# EAGLE board Mk4 Final Panel 8up 2x4 (EAGLE 9.0.1), part 12 of 23 (continued)
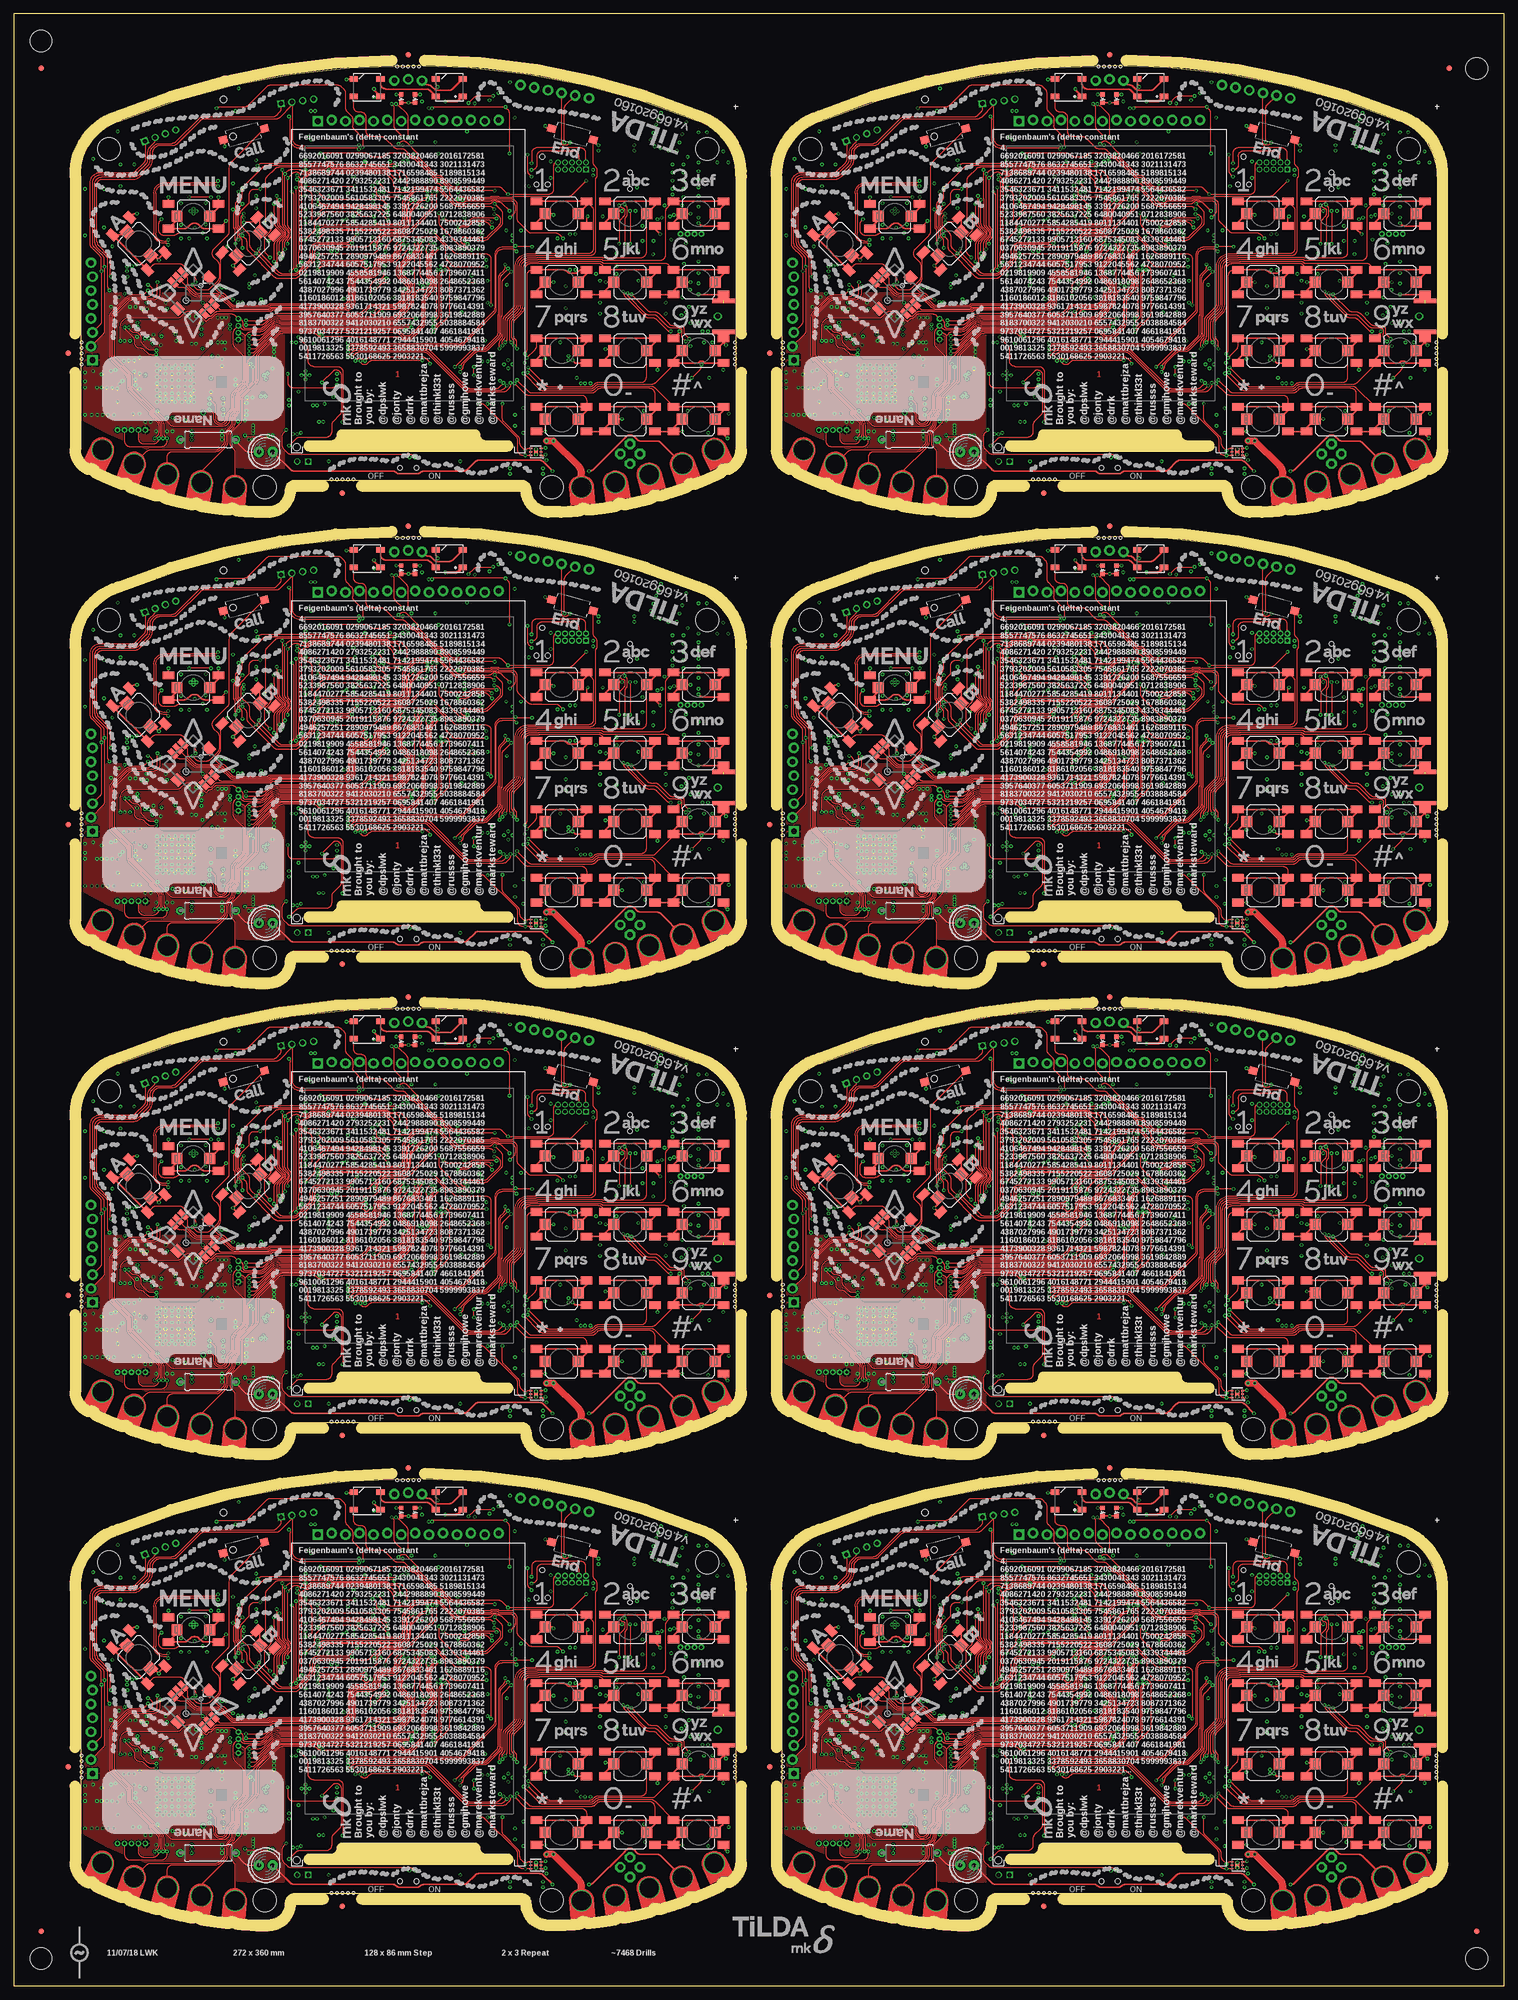
[diagram p0: board, top side]
## Tracks (layer width: path | path; a pad name or v marks a point on that pad's centre or on a via) (continued)
GND6  (via drill 0.3)  (1 unrouted)
  Top 0.15: IC124.3 96.3,280.65 96.25,280.6 IC124.2 | v95.3,279.5 IC124.PAD v95.3,280.5
  Top 0.2: 96.3,280.65 96.95,280.65 v97.05,280.75
  Top 0.3: S133.1 107.95,296.95 S133.A1 | S129.A1 95.45,296.95 S129.1 v97,297 | S130.A1 95.45,284 95.7,283.75 v97,283.75 S130.1 | S138.1 120.45,284.45 S138.A1 | S137.1 129.55,300.05 S137.A1 | 120.45,321.5 120.45,321.95 S135.1 v123.5,323.5 | 120.45,321.5 S135.A1 | S131.A1 107.95,321.95 S131.1 110,324 v111,324 | S127.A1 95.45,321.95 S127.1 98.25,323.5 v98.5,323.25 | S128.A1 95.45,309.45 S128.1 v98.5,311 | 107.95,309 107.95,309.45 S132.1 v108.05,311 | 107.95,309 S132.A1 | S127.A2 104.55,322.8 v104.75,323 | 120.2,321.25 120.45,321.5 | S136.A2 v125,308.75 | v123.5,311 S136.1 120.45,309.45 S136.A1 S132.A2 | 104.5,296.3 S129.A2 102.5,296.25 v102,296.75 | S133.1 109,299 | S138.A2 129.5,283.75 129.5,283.25 v130.25,282.5 | S134.A2 S138.A1 | v111,286 S134.1 107.95,284.45 S134.A1 S130.A2 | S128.A2 107.7,308.75 107.95,309 | S143.1 97.49,339.01 v97,339.5 | LED39.C v72.03,343.75 LED40.C | LED37.3 61.95,348 v60.75,348 | S135.A2 125.91,321.25 arc-45 125.21,321.54 v125,321.75 | 27.61,316.39 S140.A1 26.5,315.26 v26.5,315 25.62,315.88 S140.1 | S140.A2 21.57,323.21 arc-45 22.28,323.5 v22.5,323.5 | S138.A1 v122,283.75 | S131.A2 117.05,320.7 v118,319.75 | S133.1 109.25,298.75 v108,298.75 | S133.A2 117.5,295.8 v117.5,295 | S141.A2 v28.25,326.5 | S141.1 37.35,324.55 S141.A1 v37.35,326.5 | S142.1 38.5,336.72 v38.5,335.75 | S139.A1 40.81,313.19 v40,314 40.68,314.68 S139.1 | v46.5,318.5 47.61,319.61 S139.A2 | LED38.3 77.05,347.36 arc45 77.34,346.66 v77.4,346.6 | S137.A2 121.5,301.8 v121.5,302 | S137.A1 129.55,299.95 v130,299.5 | S137.A1 129.53,300.76 J69.G@4
  Top 0.4: S136.A2 129.53,308.74 J69.G@3
  GND@3 0.4: v34.45,298.85 31.8,296.2 v31.8,295.85 | v29.5,301.5 28.75,300.75 28.75,296.6 v29.5,295.85 | v27,301.1 27.75,300.35 27.75,296.4 v28.3,295.85
  Bottom 0.15: J61.32 68.75,308.25 | J61.31 69.25,308 | J61.30 69.75,308 | J61.29 70.25,308 | J61.28 70.75,308 | J61.27 71.25,308 | J61.26 71.75,308 | J61.25 72.25,308 | J61.24 72.75,308 | J61.23 73.25,308 | J61.22 73.75,308 | J61.21 74.25,308 | J61.20 74.75,308 | J61.19 75.25,308 | J61.18 75.75,308 | J61.17 76.25,308 | J61.16 76.75,308 | J61.15 77.25,308 | J61.14 77.75,308 | J61.13 78.25,308 | J61.12 78.75,308 | J61.11 79.25,308 | IC110.58 v65.6,326.8 | IC110.55 v65.6,325.6 | IC113.3 87.05,344 v86.85,344.2 | ANT14.3 118.79,341.9 v118.15,341.9 | v117.7,340.75 117.8,340.65 117.94,340.65 117.84,340.75 v117.7,340.75 | ANT14.2 118.05,340.4 v117.7,340.75 | ANT14.4 122.28,340.2 v122.75,340.2 | IC119.PAD v30.1,293.1 | IC119.PAD v28.9,293.1 | IC119.PAD v28.9,291.9 | IC119.PAD v30.1,291.9 | v28.9,294.3 29.5,294.9 v29.5,295.85 | v28.3,295.85 28.3,294.9 v27.7,294.3 27.75,294.35 | v31.3,294.3 31.3,295.35 v31.8,295.85 | v87.5,288.75 C750.2 88,289.5 arc90 88.5,290 88.5,290.5 arc90 88,291 IC122.2 87.46,291 arc45 87.1,290.85 86.9,290.65 arc-45 86.54,290.5 IC122.4 | C752.2 96.45,280.5 | v113.25,336 C701.2 | C704.2 v113.25,335 | C702.2 v106.75,336 | C700.2 v106.75,335 | v30.55,325.4 30.25,325.7 R545.2
  Bottom 0.2: C663.1 74.6,313.85 IC110.10 | IC110.17 71.8,314.01 arc-45 71.65,313.65 C662.1 v71.5,312.75 | IC110.48 63.46,322.8 arc-45 C660.1 | IC110.114 80.74,322.4 arc45 81.44,322.69 C659.1 | IC110.80 71.8,332.05 71.97,332.23 | X28.4 19.88,291.43 19.7,291.6 v18.9,291.6 | X28.2 21.73,287.07 v21.8,287 | IC121.23 87.8,296.75 arc-45 87.66,296.81 87.25,297.22 arc-90 87.25,297.25 | 87.25,297.25 v87.25,297.5 | IC121.24 87.25,297.25 | IC121.18 89,293.25 v88.75,293 | IC121.9 v93.25,296.25 | IC114.17 52.5,291.5 v52,291 IC114.18 | J64.GND4 123,286.05 | 96.45,280.5 arc45 v97.05,280.75 | v37.3,327.5 C754.2 | IC116.4 93.97,327.73 C719.1
  Bottom 0.25: J61.50 59.75,307.45 v60.25,307.95 | J61.49 v60.25,307.95 | J61.48 60.75,307.45 v60.25,307.95 | J61.43 63.25,308 | J61.6 v81.75,305.5 | v74,310.75 74,311.62 C664.1 74.25,312.12 C663.1 | v62,323.1 C660.1 | v82.25,322.75 C659.1 | v72,333 C661.1 71.97,332.23 | C658.1 C666.1 v73,334.45 | v61,327.25 R477.2 | C665.1 71.05,334.25 v71.65,333.65 | v81.5,278.25 S145.1 | v57.5,278.25 S146.1 | C669.1 v68.7,333 | C668.1 v64.1,333 | v77.5,334.45 C667.1 | R539.2 v31.25,285.75 | v33.35,323.95 IC118.PAD v32.8,323.5 | C684.2 44.88,285.23 | v91.45,341 C655.1 | v74.5,344 C653.1
  Bottom 0.3: 83.45,344.3 v84.15,343.6 | v38,297 R538.2 | v20.25,300.25 C727.1 | v22.5,301 22.62,300.88 C732.2 | v102.5,313.25 C710.2 | v101.5,313.25 C707.2 | v102.5,319.75 C706.2 | C708.2 v101.5,319.75 | IC111.8 106.1,312.65 v106.25,312.5 | R512.2 v100.75,310.25 | R504.2 v100.75,304.25 | R511.2 v100.75,306.25 | IC111.13 108.1,318.65 v108.25,318.5 | IC111.21 116.9,318.65 v116.75,318.5 | Q27.2 100.65,300.15 R502.2 v99.75,300 | C719.1 v94,328.5 | v98,330 97.91,330.09 JP55.5 | C712.1 v105.75,331.5 | IC117.7 99.19,319.81 R523.1 v99.25,319 | v107.5,323 C697.1 | v111,324 110.5,323.5 C696.1 | C695.1 v113.5,324 | J64.GND3 117.21,296.06 arc-45 117.5,295.36 v117.5,295 | 129.38,298.5 J64.GND2 129.5,298.59 arc-45 129.79,299.29 v130,299.5 | 130.17,296 J64.C4 129.79,295.74 arc45 129.5,295.04 v129.5,295 | v130.5,287 130.38,287 J64.GND1 | v115.25,284.25 R527.2 116.92,284.25 Q26.2 | C698.1 v126.75,283.5 | J64.C5 122.85,287.65 v123,287.5 123,286.05 | v115,287.5 115.23,287.27 116.25,287.27 J64.GND6 | C652.1 v82.25,317 | C657.1 v85,320.25 | C656.1 v85,321.5 | Q25.4 Q25.EP2 | C678.1 v57.5,312.25 | IC109.28 43.07,312.25 v44,312.25 | C674.1 v40,324.25 | IC109.46 44.2,326.7 v44.25,326.75 | C677.1 v40,329 | IC109.54 43.89,333.1 arc45 v44.25,333.25 | IC109.52 v44.25,331.5 | C676.1 v56.75,333.75 | C672.1 v57.5,331.5 | IC109.6 53.4,329.1 v53.25,329.25 | C673.1 v57.5,326.75 | C675.1 v57.5,322.75 | R487.1 v59,293.25 | R489.2 v59,294.25 | R491.2 54.15,299.5 arc45 v54.75,299.75 | v38,310 C693.1 | v38.75,310 38.75,309.5 C693.1 | v37.25,310 37.25,309.5 C693.1 | IC109.12 53.3,324.3 v53.25,324.25 | R531.2 v21.25,306.45 | R532.2 v22.25,306.45 | R519.2 v91,318.5 | v32.05,318.95 C725.2 | v114.75,318.5 114.7,318.55 IC111.19 114.7,321.2 v114.75,321.25
  Bottom 0.3: R529.2 41.95,285.5 v42.2,285.75 | IC121.25 v89.5,296 | v72.6,336.55 72.67,336.55 X26.4 | X26.2 76.83,336.55 v76.95,336.55 | v88.5,345.5 C670.1 | v90.6,347.5 R481.2 | C654.1 v82.75,338.5 | C711.1 v89.9,320.45 | J66.8 J66.4 | J68.8 J68.4 | IC109.41 42.05,322.7 v42,322.75 | J64.GND5 123.11,298.91 v123.5,299.3 122.94,299.3 arc-45 122.23,299.59 IC115.3 | IC111.33 119.3,304.95 v119,305.25 | v123.45,309.6 C713.1 | v122.7,304.5 D14.2 | v122.7,305.5 C714.1 | v17.75,294.75 C717.1 | v14.5,294.75 C718.1 | 38.55,300.8 C735.2 37.95,300.8 | IC125.2 v96.6,277 | C755.2 v90.6,276 | IC125.3 v96.6,276 | v119,307.25 119.1,307.15 IC111.31
  Bottom 0.35: v38.55,300 38.55,300.8 | v37.95,300 37.95,300.8
  Bottom 0.4: C737.2 34.1,298.5 v34.45,298.85 | v37.25,297.5 C731.2 | v38,295.75 C743.2 | C733.2 34.12,303.62 v34.25,303.5 | C733.2 v33.25,304.75 | v32,304.75 C734.2 C733.2 | C738.2 28.9,300.9 v29.5,301.5 29.4,301.4 | C736.2 v27,301.1 | v25.5,301.4 26.1,300.8 C730.2 | v40.5,292.25 C748.1 | v40.5,293.25 C749.1 | v38.25,288.75 C744.2 | C740.2 v36,291 | C726.1 v27.75,307.25 | C746.1 v22.95,291.5 | C742.2 v22.25,292.25 | C728.2 v22.25,293.25 | C747.1 v22.95,287 | R530.2 v24,285.5 | R533.2 v25,285.5 | R540.2 v26,283.75 | C745.2 v29,283.75 | C739.2 v28,283.75 | v38.5,298.75 C741.2 37.4,299.64 arc45 v37.25,300 | IC120.4 21.12,312.15 arc45 v20.75,312 | v38.25,286.75 R497.2 | v85.5,296.5 C671.1 | v50.25,288.5 50.85,288.5 C691.2 50.85,289.5 v50.25,289.5 | S144.2 71.4,279 v72.25,279 | Q25.EP2 86.4,307.35 v86.5,307.25 | v86.5,311.25 IC112.4 | 48.75,298.75 C692.2 48.38,298.25 v47.5,298.25 | 48.62,299 v47.5,299 | C688.2 47.6,297.4 v47.5,297.5 | v47.25,295.25 47.25,294.32 C689.1 | 13,291.6 v13,291.75 ANT13.4 | ANT13.3 v13,286.75 | ANT13.2 14.25,287.7 v14.25,286.75 | C694.1 v38,283 | C694.1 37.5,283.75 v38,283.75 | C694.1 37.5,282.25 v38,282.25 | J67.4 40.94,341.81 v40.5,342.25 | C651.2 65.88,344.62 v65.75,344.75 | IC126.3 99.26,278.15 arc-45 98.56,278.44 C756.2 97.68,278.68 arc-45 v97.25,278.5 | TP131.TP 43.75,290.1 v43.6,289.95
  Bottom 0.5: v24.35,306.05 24.35,305.5 C729.2 23.35,305.5 v23.35,306.05
  Bottom 1: J62.1 93.05,284.8 C686.2 | C686.2 91.6,284.85 v91.5,284.75 | C686.2 v93,283.5 | v58.35,290 C687.2 56.65,288.85 v56.75,288.75
  other vias: 69.25,308.25 78.75,308.25 62.9,311.15 32.8,324.4 32.25,323.95 122.7,318.1 122.35,314.35 122,338 121.5,336.5 121,335 119.5,335 118,335.5 117,335.75 116.25,337 116.75,338.25 117.25,339.75 27.7,293.1 27.7,291.9 27.7,290.7 28.9,290.7 30.1,290.7 31.3,290.7 31.3,291.9 31.3,293.1 30.1,294.3 23,297.25 23,294.35 19,289.2 18.25,286.75 17.25,286.75 16.25,286.75 15.25,286.75 18,291.75 17,291.75 16,291.75 15.2,291.75 91,296 90.25,296.75 90.25,295.25 101.25,297.5 101.25,296.75 126,300 125,310.75 125,312.65 125,314.75 125,316.75 125,322.75 125,324.75 125,326.75 125,331.25 125,332.85 128.4,332.85 130.4,332.85 53.25,294 54,294 53.25,294.75 53.25,293.25 52.5,294 35.3,318.95 30.55,318.95 30.55,321.45 35.05,321.55 35.05,325.45 43.7,284.85 43.7,284.35 43.7,283.35 43.7,283.85 42.9,282.25 43.6,282.25 42.6,289.95 42.5,288.95 42.5,286.75 42.5,287.55 26.75,293.1 26.75,291.9 26.75,290.7 26.75,294.3 32.25,293.1 32.25,291.9 32.25,290.7 32.25,294.3 27.7,289.75 28.9,289.75 30.1,289.75 31.3,289.75 27.7,295.25 28.9,295.25 30.1,295.25 31.3,295.25 32.25,289.75 32.25,295.25 26.75,295.25 26.75,289.75 30.7,295.85 27.2,295.85 26.15,295.85 26.15,294.8 29.5,289.15 30.7,289.15 31.9,289.15 28.3,289.15 27.2,289.15 32.85,292.45 32.85,291.25 32.85,290.05 32.85,293.65 26.15,292.5 26.15,291.3 26.15,290.2 26.15,293.7 32.85,294.75 32.85,295.85 32.85,289.15 26.15,289.15 126.7,302 125.7,302 127.5,300 122,308.2 16.5,328 16.5,321 19.5,328.5 19.5,332.5 22,332.5 19,338.5 14.5,333.5 13,328 13,319.5 18,317.5 19.25,308.25 13,294.5 110,305.25 107,305.25 107,307.25 107,311.25 114,311.25 116.7,316.1 114,316.75 120,318.75 123.5,303.5 123.25,306.5 125,328.25 125,329.75 123,333.85 125,338.35 129.5,334.85 126.5,338.35 121.85,304.95 125,303.5 18.6,294.95 19.35,292.45 19.85,292.95 22,294.7 21,296.7 22,296.7 20.1,296.6 122.25,332.5 120.25,332.5 122.25,331 120.25,331 122.25,329.5 120.25,329.5 122.25,328 120.25,328 122.25,326.5 120.25,327 118.75,325 118.25,322.75 117.5,322.5 119.75,323 120.5,323.25 122,325 17.75,306.5 16,294.15 13,292.85 110,316.25 110,312.5 110,313.9
  pour GND@3 (isolate 0.254, rank 6): 12.2,332.5 12.2,279 arc31 44,270 46.7,270 arc90 49.5,272.8 arc-90 51.5,274.8 92.5,274.8 arc-90 94.5,272.8 arc90 97.3,270 100,270 arc31 131.8,279 131.8,302.5 125.5,302.5 125.5,332.5 131.8,332.5 arc64 125.25,340.25 arc24 72,350.5 arc24 18.75,340.25 arc55
  pour Bottom (rank 6): 79.25,306.9 79.25,308.25 79,308.5 69,308.5 68.75,308.25 68.75,306.9
  pour Bottom (isolate 0.254, rank 6): 12.2,332.5 12.2,286 arc9 23,281 23,293 25,293 25,299 23,299 23,301 arc90 22,302 21,302 arc-90 20,303 20,323.71 arc-90 32.79,336.5 40.5,336.5 44,340 102.5,339.5 arc-90 105,337 105,302.5 116.09,302.5 arc-45 116.79,302.21 119.21,299.79 arc45 119.91,299.5 131.8,299.5 131.8,302.5 125.5,302.5 125.5,332.5 131.8,332.5 arc64 125.25,340.25 arc24 72,350.5 arc24 18.75,340.25 arc55
  pour Bottom (rank 2, no thermals): 113.5,303 115,303 115,300.5 114.41,300.5 arc45 113.71,300.21 113.29,299.79 arc45 113,299.09 113,297 arc-90 112,296 101.5,296 arc-90 100.5,297 arc-90 101.5,298 109.75,298 arc90 110.75,299 110.75,299.09 arc-45 111.04,299.79 111.71,300.46 arc-45 112.41,300.75 112.59,300.75 arc45 113.29,301.04 113.5,301.25
  pour Bottom (no thermals): 63.5,309.5 63.5,308.2 63.3,308 63.2,308 63,308.2 63,309.25 62.5,309.75 62.5,311.3 62.7,311.5 63.05,311.5 63.25,311.3 63.25,309.75
  pour Bottom: 35.55,318.95 35.55,324.95 arc90 34.55,325.95 31.05,325.95 arc90 30.05,324.95 30.05,318.95 arc90 31.05,317.95 34.55,317.95 arc90
  pour Bottom (no thermals): 49.4,297 49.4,298.1 49.2,298.3 49.2,299.05 49,299.25 47.75,299.25 47.25,298.75 47.25,297.25 47.5,297
  pour Bottom (no thermals): 43.9,284.8 43.9,282.3 arc-90 43.4,281.8 42.45,281.8 arc-90 41.95,282.3 41.95,289.65 arc-90 42.45,290.15 43.55,290.15 arc-90 44.05,289.65 44.05,286.1 arc90 44.55,285.6 45.8,285.6 45.85,285.55 45.85,284.9 45.75,284.8
  pour Top (rank 6): 12.2,309 12.2,286 arc34 49,277 49.5,277 49.5,309
GND7  (via drill 0.3)  (1 unrouted)
  Top 0.15: IC142.3 224.3,280.65 224.25,280.6 IC142.2 | v223.3,279.5 IC142.PAD v223.3,280.5
  Top 0.2: 224.3,280.65 224.95,280.65 v225.05,280.75
  Top 0.3: S154.1 235.95,296.95 S154.A1 | S150.A1 223.45,296.95 S150.1 v225,297 | S151.A1 223.45,284 223.7,283.75 v225,283.75 S151.1 | S159.1 248.45,284.45 S159.A1 | S158.1 257.55,300.05 S158.A1 | 248.45,321.5 248.45,321.95 S156.1 v251.5,323.5 | 248.45,321.5 S156.A1 | S152.A1 235.95,321.95 S152.1 238,324 v239,324 | S148.A1 223.45,321.95 S148.1 226.25,323.5 v226.5,323.25 | S149.A1 223.45,309.45 S149.1 v226.5,311 | 235.95,309 235.95,309.45 S153.1 v236.05,311 | 235.95,309 S153.A1 | S148.A2 232.55,322.8 v232.75,323 | 248.2,321.25 248.45,321.5 | S157.A2 v253,308.75 | v251.5,311 S157.1 248.45,309.45 S157.A1 S153.A2 | 232.5,296.3 S150.A2 230.5,296.25 v230,296.75 | S154.1 237,299 | S159.A2 257.5,283.75 257.5,283.25 v258.25,282.5 | S155.A2 S159.A1 | v239,286 S155.1 235.95,284.45 S155.A1 S151.A2 | S149.A2 235.7,308.75 235.95,309 | S164.1 225.49,339.01 v225,339.5 | LED45.C v200.03,343.75 LED46.C | LED43.3 189.95,348 v188.75,348 | S156.A2 253.91,321.25 arc-45 253.21,321.54 v253,321.75 | 155.61,316.39 S161.A1 154.5,315.26 v154.5,315 153.62,315.88 S161.1 | S161.A2 149.57,323.21 arc-45 150.28,323.5 v150.5,323.5 | S159.A1 v250,283.75 | S152.A2 245.05,320.7 v246,319.75 | S154.1 237.25,298.75 v236,298.75 | S154.A2 245.5,295.8 v245.5,295 | S162.A2 v156.25,326.5 | S162.1 165.35,324.55 S162.A1 v165.35,326.5 | S163.1 166.5,336.72 v166.5,335.75 | S160.A1 168.81,313.19 v168,314 168.68,314.68 S160.1 | v174.5,318.5 175.61,319.61 S160.A2 | LED44.3 205.05,347.36 arc45 205.34,346.66 v205.4,346.6 | S158.A2 249.5,301.8 v249.5,302 | S158.A1 257.55,299.95 v258,299.5 | S158.A1 257.53,300.76 J79.G@4
  Top 0.4: S157.A2 257.53,308.74 J79.G@3
  GND@3 0.4: v162.45,298.85 159.8,296.2 v159.8,295.85 | v157.5,301.5 156.75,300.75 156.75,296.6 v157.5,295.85 | v155,301.1 155.75,300.35 155.75,296.4 v156.3,295.85
  Bottom 0.15: J71.32 196.75,308.25 | J71.31 197.25,308 | J71.30 197.75,308 | J71.29 198.25,308 | J71.28 198.75,308 | J71.27 199.25,308 | J71.26 199.75,308 | J71.25 200.25,308 | J71.24 200.75,308 | J71.23 201.25,308 | J71.22 201.75,308 | J71.21 202.25,308 | J71.20 202.75,308 | J71.19 203.25,308 | J71.18 203.75,308 | J71.17 204.25,308 | J71.16 204.75,308 | J71.15 205.25,308 | J71.14 205.75,308 | J71.13 206.25,308 | J71.12 206.75,308 | J71.11 207.25,308 | IC128.58 v193.6,326.8 | IC128.55 v193.6,325.6 | IC131.3 215.05,344 v214.85,344.2 | ANT16.3 246.79,341.9 v246.15,341.9 | v245.7,340.75 245.8,340.65 245.94,340.65 245.84,340.75 v245.7,340.75 | ANT16.2 246.05,340.4 v245.7,340.75 | ANT16.4 250.28,340.2 v250.75,340.2 | IC137.PAD v158.1,293.1 | IC137.PAD v156.9,293.1 | IC137.PAD v156.9,291.9 | IC137.PAD v158.1,291.9 | v156.9,294.3 157.5,294.9 v157.5,295.85 | v156.3,295.85 156.3,294.9 v155.7,294.3 155.75,294.35 | v159.3,294.3 159.3,295.35 v159.8,295.85 | v215.5,288.75 C858.2 216,289.5 arc90 216.5,290 216.5,290.5 arc90 216,291 IC140.2 215.46,291 arc45 215.1,290.85 214.9,290.65 arc-45 214.54,290.5 IC140.4 | C860.2 224.45,280.5 | v241.25,336 C809.2 | C812.2 v241.25,335 | C810.2 v234.75,336 | C808.2 v234.75,335 | v158.55,325.4 158.25,325.7 R623.2
  Bottom 0.2: C771.1 202.6,313.85 IC128.10 | IC128.17 199.8,314.01 arc-45 199.65,313.65 C770.1 v199.5,312.75 | IC128.48 191.46,322.8 arc-45 C768.1 | IC128.114 208.74,322.4 arc45 209.44,322.69 C767.1 | IC128.80 199.8,332.05 199.97,332.23 | X32.4 147.88,291.43 147.7,291.6 v146.9,291.6 | X32.2 149.72,287.07 v149.8,287 | IC139.23 215.8,296.75 arc-45 215.66,296.81 215.25,297.22 arc-90 215.25,297.25 | 215.25,297.25 v215.25,297.5 | IC139.24 215.25,297.25 | IC139.18 217,293.25 v216.75,293 | IC139.9 v221.25,296.25 | IC132.17 180.5,291.5 v180,291 IC132.18 | J74.GND4 251,286.05 | 224.45,280.5 arc45 v225.05,280.75 | v165.3,327.5 C862.2 | IC134.4 221.97,327.73 C827.1
  Bottom 0.25: J71.50 187.75,307.45 v188.25,307.95 | J71.49 v188.25,307.95 | J71.48 188.75,307.45 v188.25,307.95 | J71.43 191.25,308 | J71.6 v209.75,305.5 | v202,310.75 202,311.62 C772.1 202.25,312.12 C771.1 | v190,323.1 C768.1 | v210.25,322.75 C767.1 | v200,333 C769.1 199.97,332.23 | C766.1 C774.1 v201,334.45 | v189,327.25 R555.2 | C773.1 199.05,334.25 v199.65,333.65 | v209.5,278.25 S166.1 | v185.5,278.25 S167.1 | C777.1 v196.7,333 | C776.1 v192.1,333 | v205.5,334.45 C775.1 | R617.2 v159.25,285.75 | v161.35,323.95 IC136.PAD v160.8,323.5 | C792.2 172.88,285.23 | v219.45,341 C763.1 | v202.5,344 C761.1
  Bottom 0.3: 211.45,344.3 v212.15,343.6 | v166,297 R616.2 | v148.25,300.25 C835.1 | v150.5,301 150.62,300.88 C840.2 | v230.5,313.25 C818.2 | v229.5,313.25 C815.2 | v230.5,319.75 C814.2 | C816.2 v229.5,319.75 | IC129.8 234.1,312.65 v234.25,312.5 | R590.2 v228.75,310.25 | R582.2 v228.75,304.25 | R589.2 v228.75,306.25 | IC129.13 236.1,318.65 v236.25,318.5 | IC129.21 244.9,318.65 v244.75,318.5 | Q31.2 228.65,300.15 R580.2 v227.75,300 | C827.1 v222,328.5 | v226,330 225.91,330.09 JP64.5 | C820.1 v233.75,331.5 | IC135.7 227.19,319.81 R601.1 v227.25,319 | v235.5,323 C805.1 | v239,324 238.5,323.5 C804.1 | C803.1 v241.5,324 | J74.GND3 245.21,296.06 arc-45 245.5,295.36 v245.5,295 | 257.38,298.5 J74.GND2 257.5,298.59 arc-45 257.79,299.29 v258,299.5 | 258.17,296 J74.C4 257.79,295.74 arc45 257.5,295.04 v257.5,295 | v258.5,287 258.38,287 J74.GND1 | v243.25,284.25 R605.2 244.93,284.25 Q30.2 | C806.1 v254.75,283.5 | J74.C5 250.85,287.65 v251,287.5 251,286.05 | v243,287.5 243.23,287.27 244.25,287.27 J74.GND6 | C760.1 v210.25,317 | C765.1 v213,320.25 | C764.1 v213,321.5 | Q29.4 Q29.EP2 | C786.1 v185.5,312.25 | IC127.28 171.07,312.25 v172,312.25 | C782.1 v168,324.25 | IC127.46 172.2,326.7 v172.25,326.75 | C785.1 v168,329 | IC127.54 171.89,333.1 arc45 v172.25,333.25 | IC127.52 v172.25,331.5 | C784.1 v184.75,333.75 | C780.1 v185.5,331.5 | IC127.6 181.4,329.1 v181.25,329.25 | C781.1 v185.5,326.75 | C783.1 v185.5,322.75 | R565.1 v187,293.25 | R567.2 v187,294.25 | R569.2 182.15,299.5 arc45 v182.75,299.75 | v166,310 C801.1 | v166.75,310 166.75,309.5 C801.1 | v165.25,310 165.25,309.5 C801.1 | IC127.12 181.3,324.3 v181.25,324.25 | R609.2 v149.25,306.45 | R610.2 v150.25,306.45
  Bottom 0.3: R597.2 v219,318.5 | v160.05,318.95 C833.2 | v242.75,318.5 242.7,318.55 IC129.19 242.7,321.2 v242.75,321.25 | R607.2 169.95,285.5 v170.2,285.75 | IC139.25 v217.5,296 | v200.6,336.55 200.68,336.55 X30.4 | X30.2 204.82,336.55 v204.95,336.55 | v216.5,345.5 C778.1 | v218.6,347.5 R559.2 | C762.1 v210.75,338.5 | C819.1 v217.9,320.45 | J76.8 J76.4 | J78.8 J78.4 | IC127.41 170.05,322.7 v170,322.75 | J74.GND5 251.11,298.91 v251.5,299.3 250.94,299.3 arc-45 250.23,299.59 IC133.3 | IC129.33 247.3,304.95 v247,305.25 | v251.45,309.6 C821.1 | v250.7,304.5 D16.2 | v250.7,305.5 C822.1 | v145.75,294.75 C825.1 | v142.5,294.75 C826.1 | 166.55,300.8 C843.2 165.95,300.8 | IC143.2 v224.6,277 | C863.2 v218.6,276 | IC143.3 v224.6,276 | v247,307.25 247.1,307.15 IC129.31
  Bottom 0.35: v166.55,300 166.55,300.8 | v165.95,300 165.95,300.8
  Bottom 0.4: C845.2 162.1,298.5 v162.45,298.85 | v165.25,297.5 C839.2 | v166,295.75 C851.2 | C841.2 162.12,303.62 v162.25,303.5 | C841.2 v161.25,304.75 | v160,304.75 C842.2 C841.2 | C846.2 156.9,300.9 v157.5,301.5 157.4,301.4 | C844.2 v155,301.1 | v153.5,301.4 154.1,300.8 C838.2 | v168.5,292.25 C856.1 | v168.5,293.25 C857.1 | v166.25,288.75 C852.2 | C848.2 v164,291 | C834.1 v155.75,307.25 | C854.1 v150.95,291.5 | C850.2 v150.25,292.25 | C836.2 v150.25,293.25 | C855.1 v150.95,287 | R608.2 v152,285.5 | R611.2 v153,285.5 | R618.2 v154,283.75 | C853.2 v157,283.75 | C847.2 v156,283.75 | v166.5,298.75 C849.2 165.4,299.64 arc45 v165.25,300 | IC138.4 149.12,312.15 arc45 v148.75,312 | v166.25,286.75 R575.2 | v213.5,296.5 C779.1 | v178.25,288.5 178.85,288.5 C799.2 178.85,289.5 v178.25,289.5 | S165.2 199.4,279 v200.25,279 | Q29.EP2 214.4,307.35 v214.5,307.25 | v214.5,311.25 IC130.4 | 176.75,298.75 C800.2 176.38,298.25 v175.5,298.25 | 176.62,299 v175.5,299 | C796.2 175.6,297.4 v175.5,297.5 | v175.25,295.25 175.25,294.32 C797.1 | 141,291.6 v141,291.75 ANT15.4 | ANT15.3 v141,286.75 | ANT15.2 142.25,287.7 v142.25,286.75 | C802.1 v166,283 | C802.1 165.5,283.75 v166,283.75 | C802.1 165.5,282.25 v166,282.25 | J77.4 168.94,341.81 v168.5,342.25 | C759.2 193.88,344.62 v193.75,344.75 | IC144.3 227.26,278.15 arc-45 226.56,278.44 C864.2 225.68,278.68 arc-45 v225.25,278.5 | TP150.TP 171.75,290.1 v171.6,289.95
  Bottom 0.5: v152.35,306.05 152.35,305.5 C837.2 151.35,305.5 v151.35,306.05
  Bottom 1: J72.1 221.05,284.8 C794.2 | C794.2 219.6,284.85 v219.5,284.75 | C794.2 v221,283.5 | v186.35,290 C795.2 184.65,288.85 v184.75,288.75
  other vias: 197.25,308.25 206.75,308.25 190.9,311.15 160.8,324.4 160.25,323.95 250.7,318.1 250.35,314.35 250,338 249.5,336.5 249,335 247.5,335 246,335.5 245,335.75 244.25,337 244.75,338.25 245.25,339.75 155.7,293.1 155.7,291.9 155.7,290.7 156.9,290.7 158.1,290.7 159.3,290.7 159.3,291.9 159.3,293.1 158.1,294.3 151,297.25 151,294.35 147,289.2 146.25,286.75 145.25,286.75 144.25,286.75 143.25,286.75 146,291.75 145,291.75 144,291.75 143.2,291.75 219,296 218.25,296.75 218.25,295.25 229.25,297.5 229.25,296.75 254,300 253,310.75 253,312.65 253,314.75 253,316.75 253,322.75 253,324.75 253,326.75 253,331.25 253,332.85 256.4,332.85 258.4,332.85 181.25,294 182,294 181.25,294.75 181.25,293.25 180.5,294 163.3,318.95 158.55,318.95 158.55,321.45 163.05,321.55 163.05,325.45 171.7,284.85 171.7,284.35 171.7,283.35 171.7,283.85 170.9,282.25 171.6,282.25 170.6,289.95 170.5,288.95 170.5,286.75 170.5,287.55 154.75,293.1 154.75,291.9 154.75,290.7 154.75,294.3 160.25,293.1 160.25,291.9 160.25,290.7 160.25,294.3 155.7,289.75 156.9,289.75 158.1,289.75 159.3,289.75 155.7,295.25 156.9,295.25 158.1,295.25 159.3,295.25 160.25,289.75 160.25,295.25 154.75,295.25 154.75,289.75 158.7,295.85 155.2,295.85 154.15,295.85 154.15,294.8 157.5,289.15 158.7,289.15 159.9,289.15 156.3,289.15 155.2,289.15 160.85,292.45 160.85,291.25 160.85,290.05 160.85,293.65 154.15,292.5 154.15,291.3 154.15,290.2 154.15,293.7 160.85,294.75 160.85,295.85 160.85,289.15 154.15,289.15 254.7,302 253.7,302 255.5,300 250,308.2 144.5,328 144.5,321 147.5,328.5 147.5,332.5 150,332.5 147,338.5 142.5,333.5 141,328 141,319.5 146,317.5 147.25,308.25 141,294.5 238,305.25 235,305.25 235,307.25 235,311.25 242,311.25 244.7,316.1 242,316.75 248,318.75 251.5,303.5 251.25,306.5 253,328.25 253,329.75 251,333.85 253,338.35 257.5,334.85 254.5,338.35 249.85,304.95 253,303.5 146.6,294.95 147.35,292.45 147.85,292.95 150,294.7 149,296.7 150,296.7 148.1,296.6 250.25,332.5 248.25,332.5 250.25,331 248.25,331 250.25,329.5 248.25,329.5 250.25,328 248.25,328 250.25,326.5 248.25,327 246.75,325 246.25,322.75 245.5,322.5 247.75,323 248.5,323.25 250,325 145.75,306.5 144,294.15 141,292.85 238,316.25 238,312.5 238,313.9
  pour GND@3 (isolate 0.254, rank 6): 140.2,332.5 140.2,279 arc31 172,270 174.7,270 arc90 177.5,272.8 arc-90 179.5,274.8 220.5,274.8 arc-90 222.5,272.8 arc90 225.3,270 228,270 arc31 259.8,279 259.8,302.5 253.5,302.5 253.5,332.5 259.8,332.5 arc64 253.25,340.25 arc24 200,350.5 arc24 146.75,340.25 arc55
  pour Bottom (rank 6): 207.25,306.9 207.25,308.25 207,308.5 197,308.5 196.75,308.25 196.75,306.9
  pour Bottom (isolate 0.254, rank 6): 140.2,332.5 140.2,286 arc9 151,281 151,293 153,293 153,299 151,299 151,301 arc90 150,302 149,302 arc-90 148,303 148,323.71 arc-90 160.79,336.5 168.5,336.5 172,340 230.5,339.5 arc-90 233,337 233,302.5 244.09,302.5 arc-45 244.79,302.21 247.21,299.79 arc45 247.91,299.5 259.8,299.5 259.8,302.5 253.5,302.5 253.5,332.5 259.8,332.5 arc64 253.25,340.25 arc24 200,350.5 arc24 146.75,340.25 arc55
  pour Bottom (rank 2, no thermals): 241.5,303 243,303 243,300.5 242.41,300.5 arc45 241.71,300.21 241.29,299.79 arc45 241,299.09 241,297 arc-90 240,296 229.5,296 arc-90 228.5,297 arc-90 229.5,298 237.75,298 arc90 238.75,299 238.75,299.09 arc-45 239.04,299.79 239.71,300.46 arc-45 240.41,300.75 240.59,300.75 arc45 241.29,301.04 241.5,301.25
  pour Bottom (no thermals): 191.5,309.5 191.5,308.2 191.3,308 191.2,308 191,308.2 191,309.25 190.5,309.75 190.5,311.3 190.7,311.5 191.05,311.5 191.25,311.3 191.25,309.75
  pour Bottom: 163.55,318.95 163.55,324.95 arc90 162.55,325.95 159.05,325.95 arc90 158.05,324.95 158.05,318.95 arc90 159.05,317.95 162.55,317.95 arc90
  pour Bottom (no thermals): 177.4,297 177.4,298.1 177.2,298.3 177.2,299.05 177,299.25 175.75,299.25 175.25,298.75 175.25,297.25 175.5,297
  pour Bottom (no thermals): 171.9,284.8 171.9,282.3 arc-90 171.4,281.8 170.45,281.8 arc-90 169.95,282.3 169.95,289.65 arc-90 170.45,290.15 171.55,290.15 arc-90 172.05,289.65 172.05,286.1 arc90 172.55,285.6 173.8,285.6 173.85,285.55 173.85,284.9 173.75,284.8